# Altium PCB FPv1.3.PcbDoc (part 1 of 2)
Units mil, origin at the board's own origin, x right, y up, seen from the top; angles counter-clockwise.
Board outline 3200 x 2100 mil, 4 copper layers (Top Layer, GROUND PLANE, GROUND PLANE 2, Bottom Layer); 68 components, 152 nets, 617 pads, 312 vias.
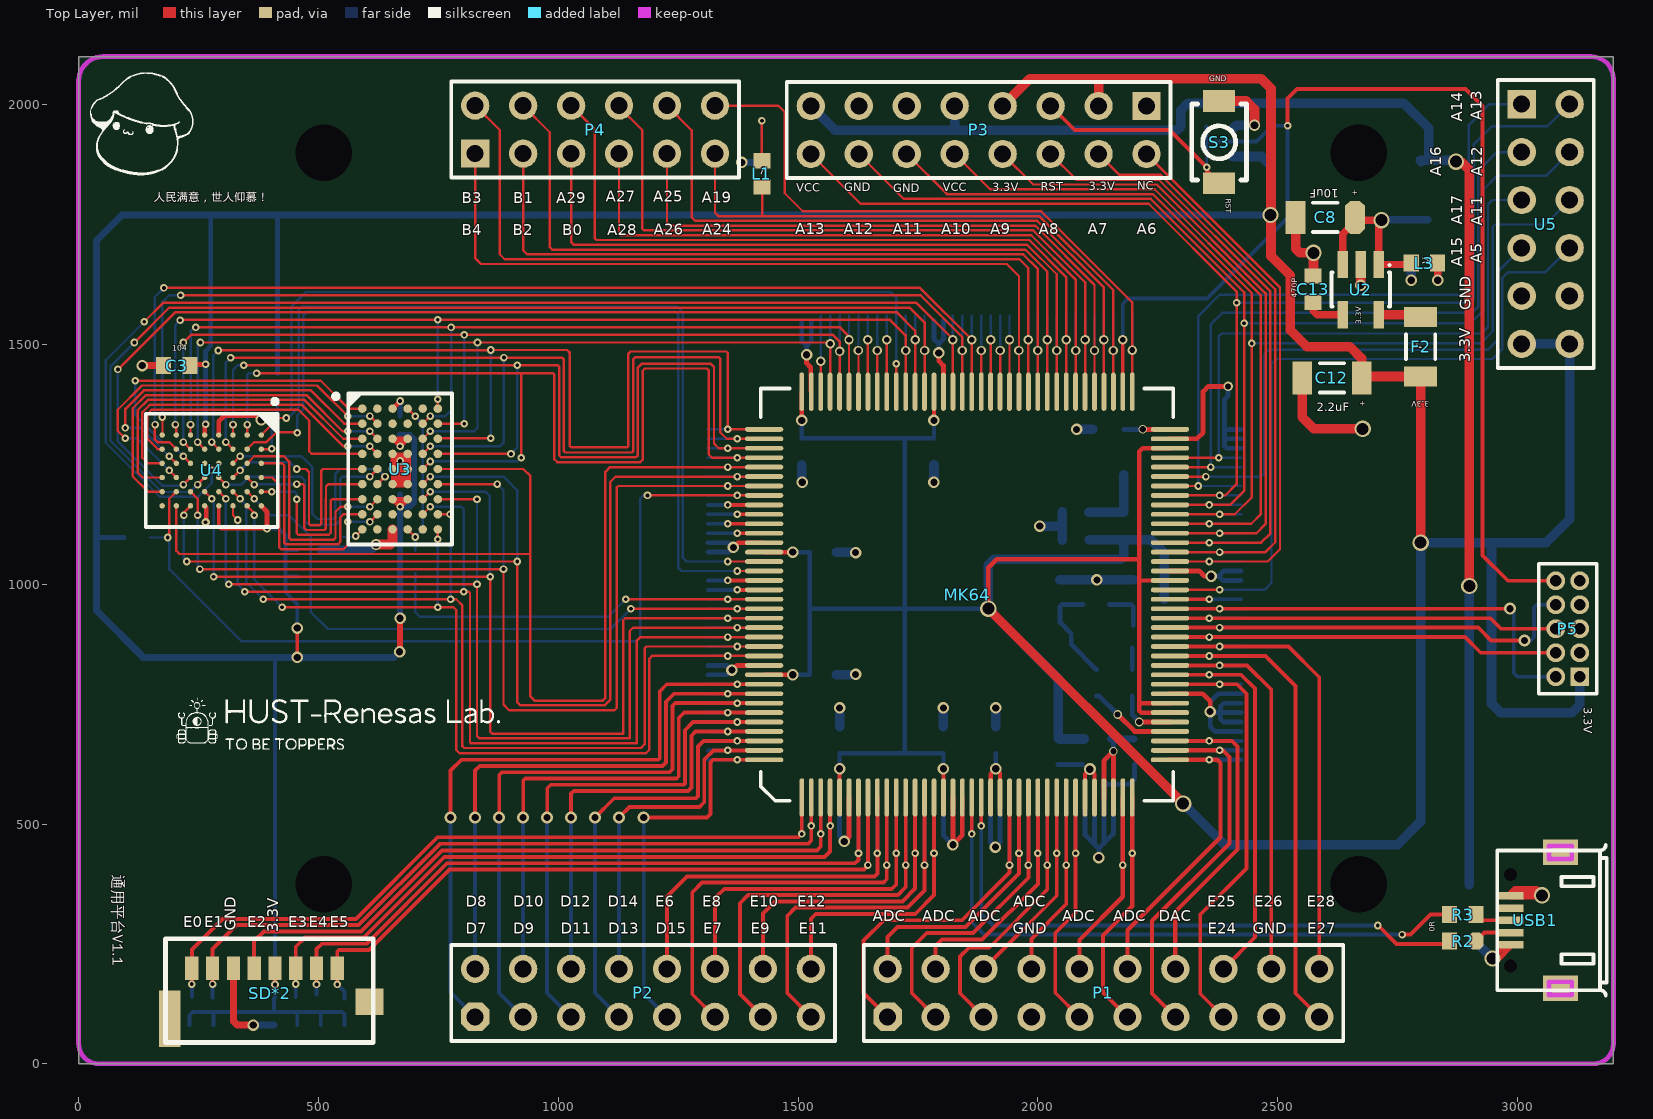
[diagram p0: Top Layer view]
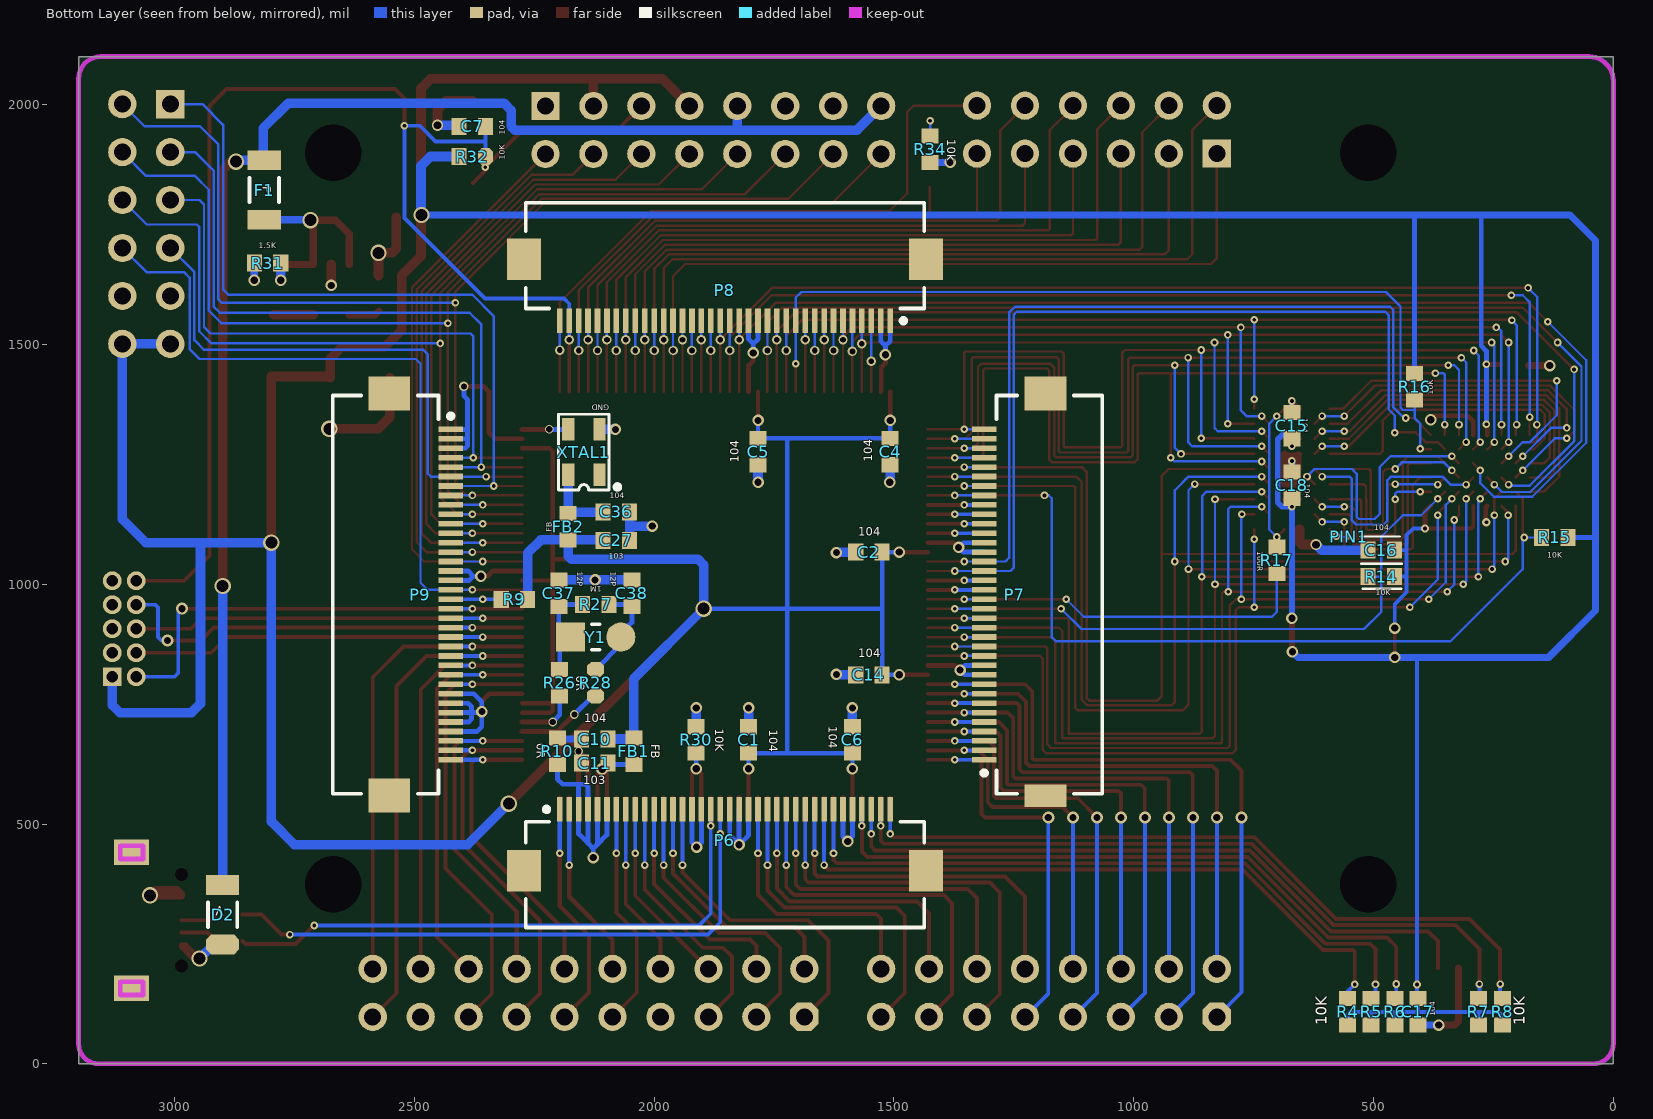
[diagram p1: Bottom Layer view, seen from below]
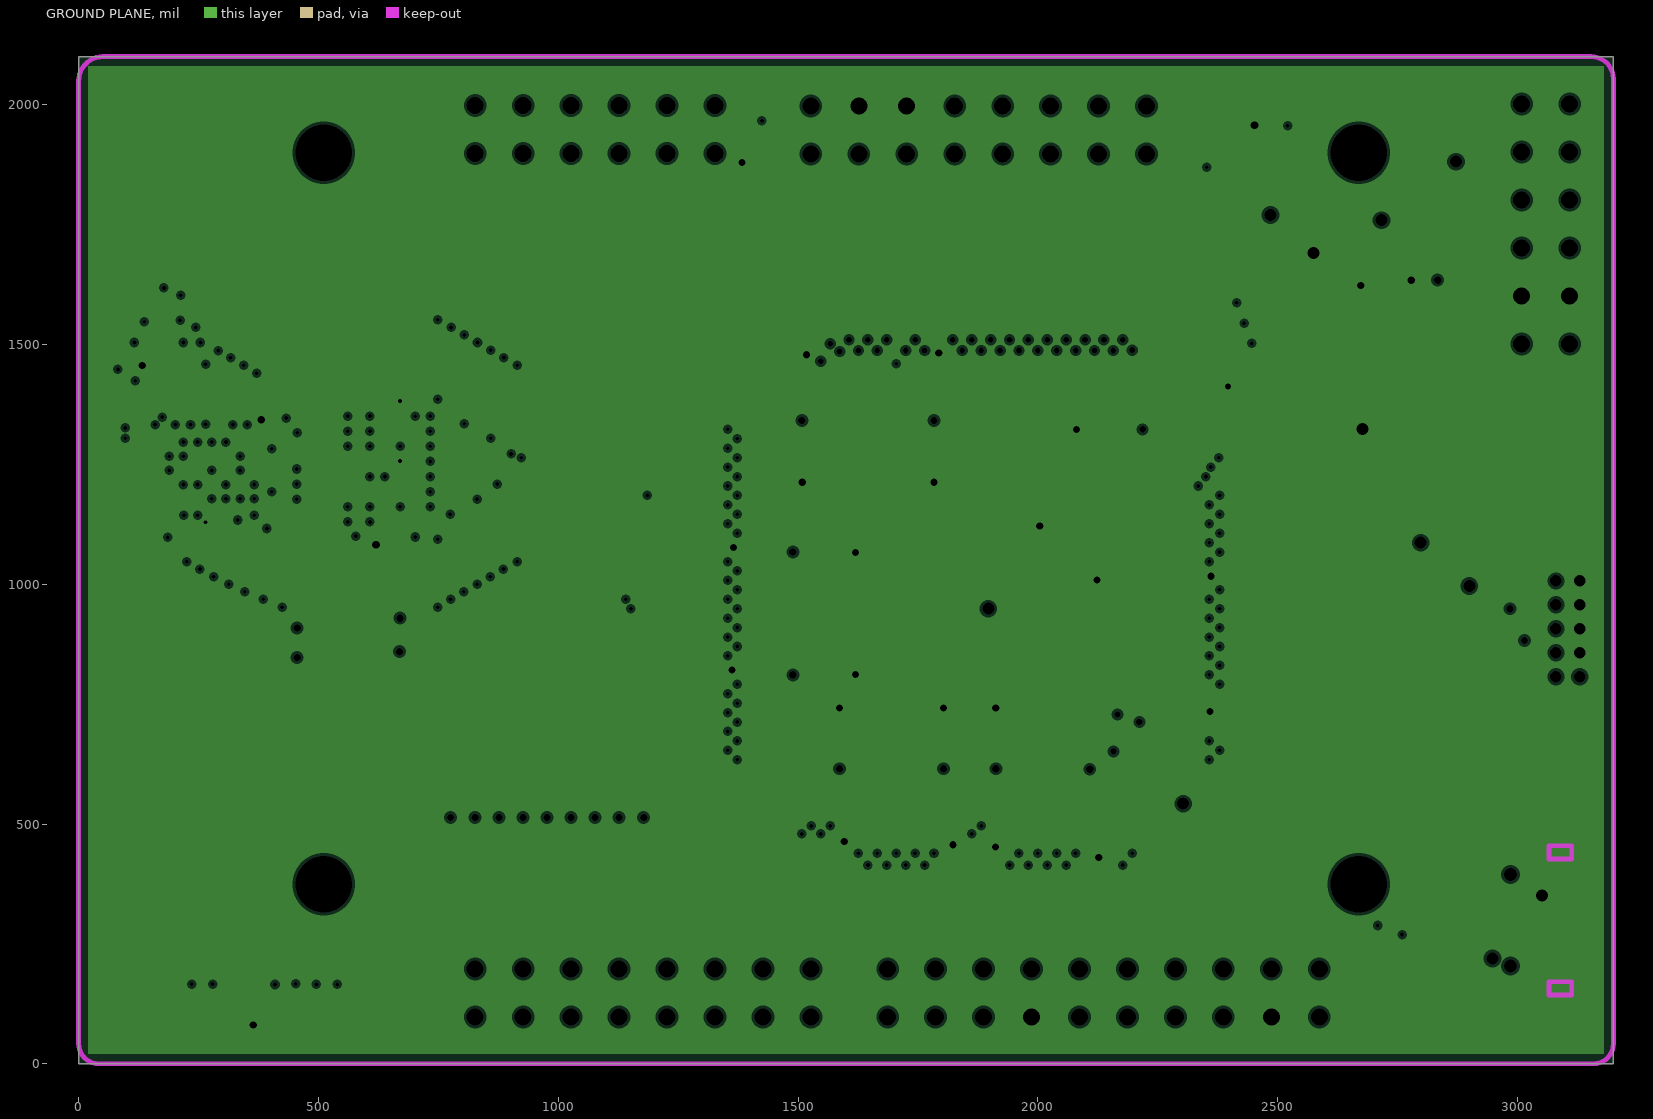
[diagram p2: GROUND PLANE, clearances drawn from the general rule]
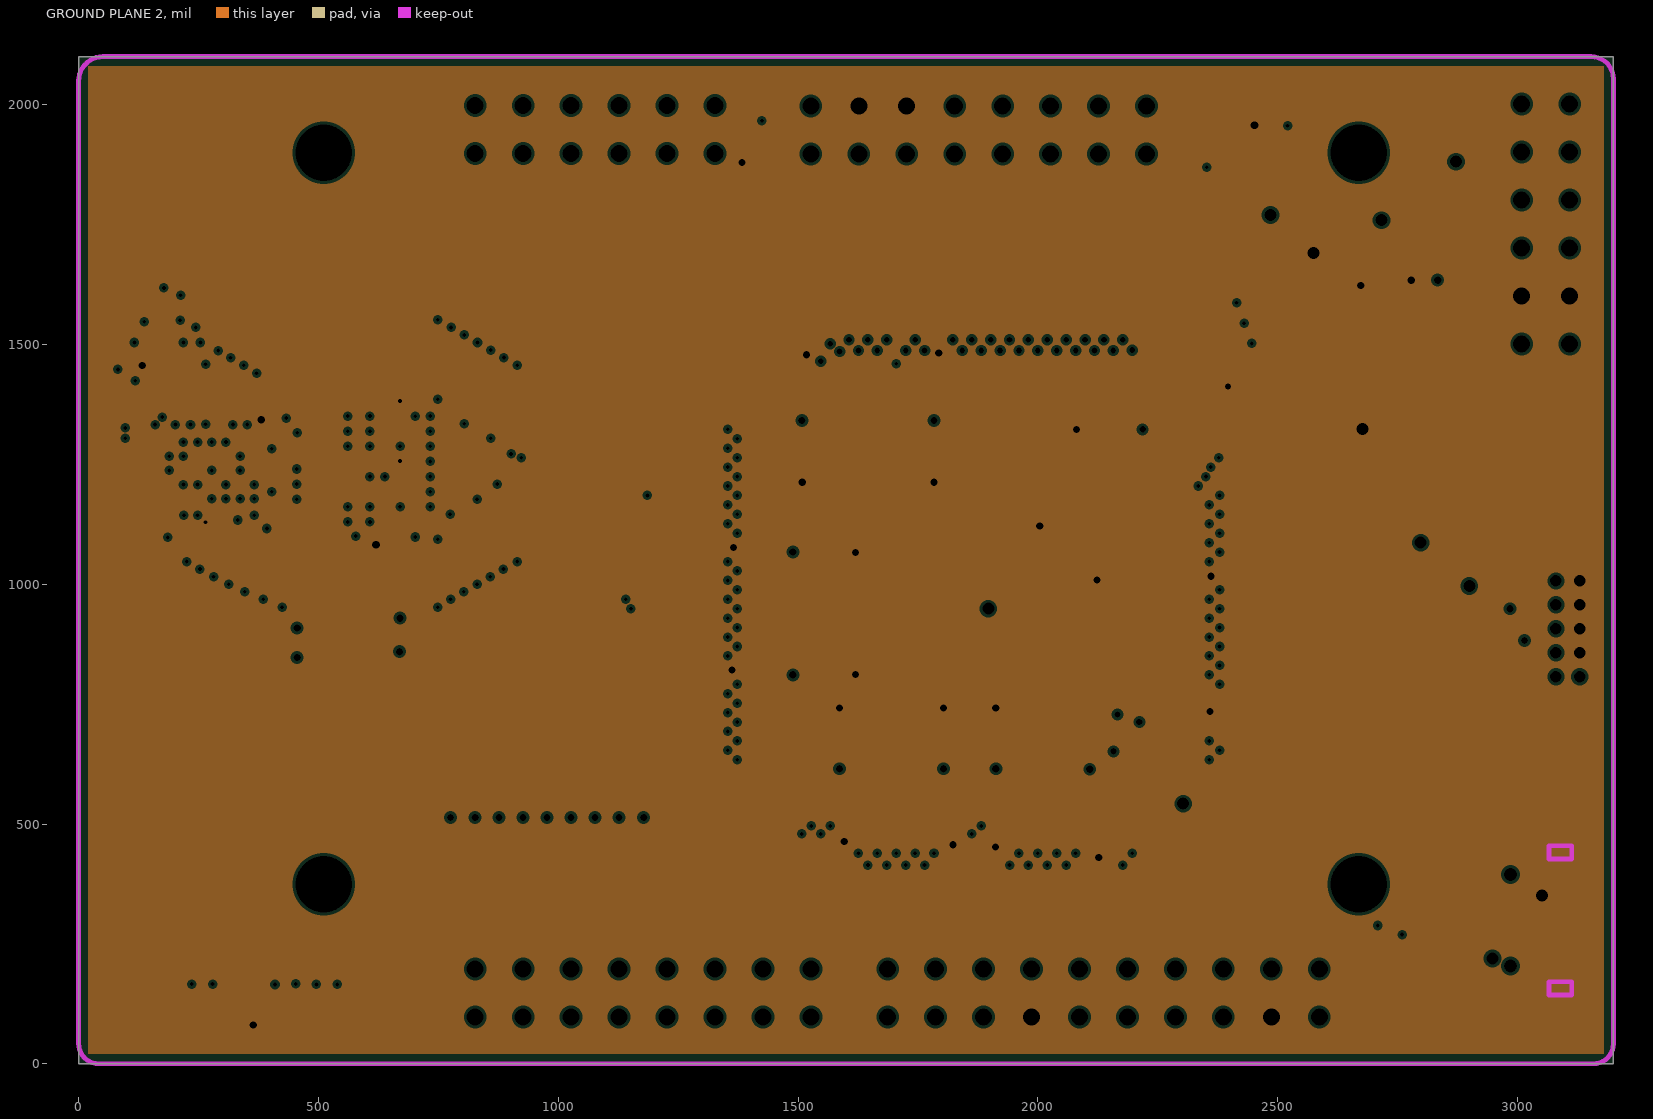
[diagram p3: GROUND PLANE 2, clearances drawn from the general rule]

## Layer stack, top to bottom
Top Layer: signal copper 1.4
Dielectric: prepreg 12.6, FR-4, Dk 4.8
GROUND PLANE: plane copper 1.4, net GND
Dielectric: core 12.6, FR-4, Dk 4.8
GROUND PLANE 2: plane copper 1.4, net GND
Dielectric: prepreg 12.6, FR-4, Dk 4.8
Bottom Layer: signal copper 1.4

## Board outline
0,0 0,2100 3200,2100 3200,0

## Design rules (kind name [scope] priority, off if disabled: settings)
Clearance [All] p1: gap=5
DiffPairsRouting [All] p1: maxlimit=10 minlimit=10 mostfreqgap=10 maxuncoupledlength=500
HoleSize [All] p1: absolutevalues=TRUE maxlimit=100 minlimit=7.87 maxpercent=80.000 minpercent=20.000
PlaneClearance [All] p1: clearance=6
PlaneConnect [All] p1: planeconnectstyle=Direct reliefexpansion=20 reliefentries=4 reliefconductorwidth=10 reliefairgap=10
PolygonConnect [All] p1: connectstyle=Direct reliefconductorwidth=10 reliefentries=4 polygonreliefangle="90 Angle" airgapwidth=10
RoutingVias [All] p1: holewidth=28 width=50 viastyle="Through Hole" minholewidth=28 minwidth=50 maxholewidth=28 maxwidth=50
SolderMaskExpansion [All] p1: expansion=4
Width [All] p1: maxlimit=70 minlimit=5 preferedwidth=10 minimp=50.000000 maximp=50.000000 favimp=50.000000
24 further rules are at their usual default settings.

## Classes and differential pairs
net class ANALOG[13..1]: ANALOG1 ANALOG2 ANALOG3 ANALOG4 ANALOG5 ANALOG6 ANALOG7 ANALOG8 ANALOG9 ANALOG10 ANALOG11 ANALOG12 ANALOG13
net class PTD[15..7]: PTD0 PTD1 PTD7 PTD8 PTD9 PTD10 PTD11 PTD12 PTD13 PTD14 PTD15
net class FTM3_CH[7..1]: FTM3_CH1 FTM3_CH2 FTM3_CH3 FTM3_CH4 FTM3_CH5 FTM3_CH6 FTM3_CH7
net class PTE[0..28]: PTE0 PTE1 PTE2 PTE3 PTE4 PTE5 PTE24 PTE25 PTE26 PTE27 PTE28
net class AD[20..0]: AD0 AD1 AD2 AD3 AD4 AD5 AD6 AD7 AD8 AD9 AD10 AD11 AD12 AD13 AD14 AD15 AD16 AD17 AD18 AD19 AD20
component class protocol1: L1 P1 P2 P3 P4 R2 R3 R34 SD*2 U5 USB1
component class power_manage: C8 C12 C13 D2 F1 F2 L3 R31 U2
component class Memory: C14 C15 C16 C17 C18 PIN1 R14 R15 R16 R17 U3 U4
component class MCU_K64FX: C1 C2 C3 C4 C5 C6 C7 C10 C11 C27 C36 C37 C38 FB1 FB2 MK64 P5 P6 P7 P8 P9 R4 R5 R6 R7 R8 R9 R10 R26 R27 R28 R30 R32 S3 XTAL1 Y1
from-to class SRAM_DATA: "AD0 (U1-B2 : U4-B6)" "AD1 (U1-A2 : U4-C5)" "AD2 (U1-A3 : U4-C6)" "AD3 (U1-B3 : U4-D5)" "AD4 (U1-C3 : U4-E5)" "AD5 (U1-C6 : U4-F5)" "AD6 (U1-D6 : U4-F6)" "AD7 (U1-A7 : U4-G6)" "AD8 (U1-B7 : U4-B1)" "AD9 (U1-C7 : U4-C1)" "AD10 (U1-D7 : U4-C2)" "AD11 (U1-A8 : U4-D2)" "AD12 (U1-C8 : U4-E2)" "AD13 (U1-D8 : U4-F2)" "AD14 (U1-B9 : U4-F1)" "AD15 (U1-D9 : U4-G1)" "AD16 (U1-E9 : U4-F4)" "AD17 (U1-B10 : U4-E4)" "AD18 (U1-C10 : U4-D3)" "AD19 (U1-D10 : U4-H1)" "AD20 (U1-E10 : U4-G2)"
net class PTA[29..11]: PTA4 PTA5 PTA11 PTA12 PTA13 PTA14 PTA15 PTA16 PTA17 PTA24 PTA25 PTA26 PTA27 PTA28 PTA29
net class PTB[4..0]: PTB0 PTB1 PTB2 PTB3 PTB4 PTB5 PTB6 PTB7 PTB8 PTB19 PTB20 PTB21 PTB22 PTB23
differential pair USB1D: +USB1D_P -USB1D_N

## Components (designator, comment, footprint, x,y, rotation, side; value= is the part's Value field where it differs from the comment)
C1 "Cap" 1608[0603]#1 1803.15,675.2 r270 bottom
C2 "Cap" 1608[0603]#1 1552.17,1066.93 r180 bottom
C3 "Cap" 1608[0603]#1 204.72,1455.71 r0 top
C4 "Cap" 1608[0603]#1 1507.87,1276.57 r90 bottom
C5 "Cap" 1608[0603]#1 1783.46,1276.57 r90 bottom
C6 "Cap" 1608[0603]#1 1586.61,675.2 r270 bottom
C7 "Cap" 1608[0603]#1 2378.94,1954.72 r180 bottom
C8 "Cap Pol1" 1206(2)#1 2599.41,1764.76 r180 top
C10 "Cap" 1608[0603]#1 2124.02,677.17 r0 bottom
C11 "Cap" 1608[0603]#1 2124.02,626.97 r0 bottom
C12 "Cap Pol1" 1206(2)#2 2613.19,1430.12 r180 top
C13 "Cap" 1608[0603]#1 2573.82,1615.16 r270 top
C14 "Cap Pol1" 1608[0603]#1 1552.17,811.02 r0 bottom
C15 "Cap" 1608[0603]#1 670.28,1330.71 r270 bottom
C16 "Cap" 1608[0603]#1 484.25,1070.87 r180 bottom
C17 "Cap" 1608[0603]#1 407.48,108.27 r90 bottom
C18 "Cap" 1608[0603]#1 670.28,1206.69 r270 bottom
C27 "Cap" 1608[0603]#1 2078.74,1091.54 r0 bottom
C36 "Cap" 1608[0603]#1 2078.74,1150.59 r0 bottom
C37 "Cap" 1608[0603]#1 2198.82,981.3 r270 bottom
C38 "Cap" 1608[0603]#1 2046.26,981.3 r270 bottom
D2 "sk4" 1206(2)#1 2899.61,311.02 r90 bottom
F1 "300-500mA" 1206(2)#2 2812.99,1821.85 r270 bottom
F2 "300-500mA" 1206(2)#2 2798.23,1495.08 r270 top
FB1 "Inductor" 1608[0603]#1 2042.32,651.57 r270 bottom
FB2 "Inductor" 1608[0603]#1 2179.13,1120.08 r90 bottom
L1 "LED" 1608[0603]#1 1424.7,1855.31 r90 top
L3 "LED" 1608[0603]#1 2806.1,1669.29 r0 top
MK64 "MK64P144LQFP" LQFP-144 1852.36,978.35 r90 top
P1 "Header 10X2" HDR2X10 1686.81,97.83 r0 top
P2 "Header 8X2" HDR2X8#1 826.81,97.83 r0 top
P3 "Header 8X2" HDR2X8#2 2226.61,1997.05 r180 top
P4 "Header 6X2" HDR2X6 826.81,1897.83 r0 top
P5 "JTAG" MHDR2X5 3129.92,807.09 r90 top
P6 "header36" FFC/SM0.5-2H36#1 1852.36,466.54 r180 bottom
P7 "header36" FFC/SM0.5-2H36#2 1248.03,978.35 r90 bottom
P8 "header36" FFC/SM0.5-2H36#1 1852.36,1613.19 r0 bottom
P9 "header36" FFC/SM0.5-2H36#1 2488.19,978.35 r270 bottom
PIN1 "PIN" PIN 552.17,1098.43 r180 bottom
R2 "Res" 1608[0603]#2 2885.83,255.91 r0 top
R3 "Res" 1608[0603]#1 2885.83,311.02 r0 top
R4 "Res" 1608[0603]#1 554.13,108.27 r90 bottom
R5 "Res" 1608[0603]#1 504.92,108.27 r90 bottom
R6 "Res" 1608[0603]#1 455.71,108.27 r90 bottom
R7 "Res" 1608[0603]#1 281.5,108.27 r90 bottom
R8 "Res" 1608[0603]#1 231.3,108.27 r90 bottom
R9 "Res" 1608[0603]#1 2291.34,968.5 r0 bottom
R10 "Res" 1608[0603]#1 2201.77,651.57 r90 bottom
R14 "Res" 1608[0603]#1 484.25,1015.75 r180 bottom
R15 "Res" 1608[0603]#1 122.05,1097.44 r180 bottom
R16 "Res" 1608[0603]#1 414.37,1411.42 r90 bottom
R17 "Res" 1608[0603]#1 701.77,1050.2 r90 bottom
R26 "Res" 1608[0603]#1 2196.85,794.29 r270 bottom
R27 "Res" 1608[0603]#1 2122.05,957.68 r180 bottom
R28 "Res" 1608[0603]#3 2122.05,794.29 r270 bottom
R30 "Res" 1608[0603]#1 1912.4,675.2 r270 bottom
R31 "Res" 1608[0603]#1 2806.1,1669.29 r0 bottom
R32 "Res" 1608[0603]#2 2378.94,1891.73 r180 bottom
R34 "Res" 1608[0603]#1 1424.7,1906.97 r90 bottom
S3 "SW-PB" "key 3*4*2" 2377.95,1921.26 r270 top
SD*2 "TF_card" TF卡座(短体) 181.1,44.29 r0 top
U2 "MIC5219" SOT-23-5 2673.23,1614.17 r180 top
U3 "SN74LVC16373A(BGA54)" BGA54C80P6X9_550X800X120 670.28,1240.16 r0 top
U4 "EM7164SU16" BGA48C75P6X8_598X698X104 277.56,1237.2 r270 top
U5 "Header 6X2" HDR2X6 3008.86,2000.98 r270 top
USB1 "USB_5line" USB-MICRO-5P-2F 2985.24,248.03 r270 top
XTAL1 "50M有源晶体" XTAL7_3225 2146.65,1275.59 r90 bottom
Y1 "32.768kHZ" 3215 2122.05,889.76 r180 bottom

## Footprints (in the part's own frame and the unit in brackets; to place one, negate y for a bottom-side part, rotate by r counter-clockwise, add the part's x,y. Pads: shape width x height; smd on the part's side, far side on the other; paste and mask are expansions set on the pad)
1206(2)#1 [mm]
  oct 1.05x1.75 smd: 1(-1.575,0)
  rect 1.05x1.75 smd: 2(1.575,0)
  silkscreen extent -0.65,-0.77 0.65,0.77, body extent -1.6,-0.8 1.6,0.8, height 1.6
1206(2)#2 [mm]
  rect 1.05x1.75 smd: 1(-1.575,0) 2(1.575,0)
  silkscreen extent -0.65,-0.77 0.65,0.77, body extent -1.6,-0.8 1.6,0.8, height 1.6
1608[0603]#1 [mm] "Chip Capacitor, Body 1.6x0.8mm, IPC High Density"
  rect 0.8x0.9 smd: 1(-0.7,0) 2(0.7,0)
  body extent -0.87,-0.48 0.87,0.48, height 1.3
1608[0603]#2 [mm] "Chip Capacitor, Body 1.6x0.8mm, IPC High Density"
  rect 0.8x0.9 smd: 1(-0.7,0)
  oct 0.8x0.9 smd: 2(0.7,0)
  body extent -0.87,-0.48 0.87,0.48, height 1.3
1608[0603]#3 [mm] "Chip Capacitor, Body 1.6x0.8mm, IPC High Density"
  oct 0.8x0.9 smd: 1(-0.7,0) 2(0.7,0)
  body extent -0.87,-0.48 0.87,0.48, height 1.3
3215 [mm]
  rect 1.54x1.55 smd: 1(-1.335,0)
  oval 1.54x1.55 smd: 2(1.335,0)
  silkscreen extent -0.2,-0.67 0.2,0.67, body extent -1.65,-0.75 1.65,0.75, height 0.75
BGA48C75P6X8_598X698X104 [mm] "BGA, 48-Leads, Body 5.98x6.98mmx1.04mm, Pitch 0.75mm"
  round 0.29 smd: A1(-1.875,2.625) A2(-1.125,2.625) A3(-0.375,2.625) A4(0.375,2.625) A5(1.125,2.625) A6(1.875,2.625) B1(-1.875,1.875) B2(-1.125,1.875) B3(-0.375,1.875) B4(0.375,1.875) B5(1.125,1.875) B6(1.875,1.875) C1(-1.875,1.125) C2(-1.125,1.125) C3(-0.375,1.125) C4(0.375,1.125) C5(1.125,1.125) C6(1.875,1.125) D1(-1.875,0.375) D2(-1.125,0.375) D3(-0.375,0.375) D4(0.375,0.375) D5(1.125,0.375) D6(1.875,0.375) E1(-1.875,-0.375) E2(-1.125,-0.375) E3(-0.375,-0.375) E4(0.375,-0.375) E5(1.125,-0.375) E6(1.875,-0.375) F1(-1.875,-1.125) F2(-1.125,-1.125) F3(-0.375,-1.125) F4(0.375,-1.125) F5(1.125,-1.125) F6(1.875,-1.125) G1(-1.875,-1.875) G2(-1.125,-1.875) G3(-0.375,-1.875) G4(0.375,-1.875) G5(1.125,-1.875) G6(1.875,-1.875) H1(-1.875,-2.625) H2(-1.125,-2.625) H3(-0.375,-2.625) H4(0.375,-2.625) H5(1.125,-2.625) H6(1.875,-2.625)
  silkscreen extent -3.77,-3.5 3,3.5, body extent -2.99,-3.49 2.99,3.49, height 1.04
BGA54C80P6X9_550X800X120 [mm] "BGA, 54-Leads, Body 5.50x8.00mmx1.20mm, Pitch 0.80mm"
  round 0.45 smd: A1(-2,3.2) A2(-1.2,3.2) A3(-0.4,3.2) A4(0.4,3.2) A5(1.2,3.2) A6(2,3.2) B1(-2,2.4) B2(-1.2,2.4) B3(-0.4,2.4) B4(0.4,2.4) B5(1.2,2.4) B6(2,2.4) C1(-2,1.6) C2(-1.2,1.6) C3(-0.4,1.6) C4(0.4,1.6) C5(1.2,1.6) C6(2,1.6) D1(-2,0.8) D2(-1.2,0.8) D3(-0.4,0.8) D4(0.4,0.8) D5(1.2,0.8) D6(2,0.8) E1(-2,0) E2(-1.2,0) E3(-0.4,0) E4(0.4,0) E5(1.2,0) E6(2,0) F1(-2,-0.8) F2(-1.2,-0.8) F3(-0.4,-0.8) F4(0.4,-0.8) F5(1.2,-0.8) F6(2,-0.8) G1(-2,-1.6) G2(-1.2,-1.6) G3(-0.4,-1.6) G4(0.4,-1.6) G5(1.2,-1.6) G6(2,-1.6) H1(-2,-2.4) H2(-1.2,-2.4) H3(-0.4,-2.4) H4(0.4,-2.4) H5(1.2,-2.4) H6(2,-2.4) J1(-2,-3.2) J2(-1.2,-3.2) J3(-0.4,-3.2) J4(0.4,-3.2) J5(1.2,-3.2) J6(2,-3.2)
  silkscreen extent -3.52,-4 2.75,4, body extent -2.75,-4 2.75,4, height 1.2
FFC/SM0.5-2H36#1 [mm] "Connector; FH12 Series; 36 Position; 0.5mm Spaced Bottom Contact"
  rect 0.3x1.3 smd: 1(-8.75,1.625) 2(-8.25,1.625) 3(-7.75,1.625) 4(-7.25,1.625) 5(-6.75,1.625) 6(-6.25,1.625) 7(-5.75,1.625) 8(-5.25,1.625) 9(-4.75,1.625) 10(-4.25,1.625) 11(-3.75,1.625) 12(-3.25,1.625) 13(-2.75,1.625) 14(-2.25,1.625) 15(-1.75,1.625) 16(-1.25,1.625) 17(-0.75,1.625) 18(-0.25,1.625) 19(0.25,1.625) 20(0.75,1.625) 21(1.25,1.625) 22(1.75,1.625) 23(2.25,1.625) 24(2.75,1.625) 25(3.25,1.625) 26(3.75,1.625) 27(4.25,1.625) 28(4.75,1.625) 29(5.25,1.625) 30(5.75,1.625) 31(6.25,1.625) 32(6.75,1.625) 33(7.25,1.625) 34(7.75,1.625) 35(8.25,1.625) 36(8.75,1.625)
  rect 1.8x2.2 smd: 37(-10.65,-1.625) 38(10.65,-1.625)
  silkscreen extent -10.55,-4.62 10.55,1.75, body extent -10.55,-4.62 10.55,0.97, height 2
FFC/SM0.5-2H36#2 [mm] "Connector; FH12 Series; 36 Position; 0.5mm Spaced Bottom Contact"
  rect 0.3x1.3 smd: 1(-8.75,1.625) 2(-8.25,1.625) 3(-7.75,1.625) 4(-7.25,1.625) 5(-6.75,1.625) 6(-6.25,1.625) 7(-5.75,1.625) 8(-5.25,1.625) 9(-4.75,1.625) 10(-4.25,1.625) 11(-3.75,1.625) 12(-3.25,1.625) 13(-2.75,1.625) 14(-2.25,1.625) 15(-1.75,1.625) 16(-1.25,1.625) 17(-0.75,1.625) 18(-0.25,1.625) 19(0.25,1.625) 20(0.75,1.625) 21(1.25,1.625) 22(1.75,1.625) 23(2.25,1.625) 24(2.75,1.625) 25(3.25,1.625) 26(3.75,1.625) 27(4.25,1.625) 28(4.75,1.625) 29(5.25,1.625) 30(5.75,1.625) 31(6.25,1.625) 32(6.75,1.625) 33(7.25,1.625) 34(7.75,1.625) 35(8.25,1.625) 36(8.75,1.625)
  rect 1.2x2.2 smd: 37(-10.65,-1.625)
  rect 1.8x2.2 smd: 38(10.65,-1.625)
  silkscreen extent -10.55,-4.62 10.55,1.75, body extent -10.55,-4.62 10.55,0.97, height 2
HDR2X6 [mm] "Connector; Header; 6x2 Position"
  rect 1.5x1.5 hole 0.9: 1(0,0)
  round 1.5 hole 0.9: 2(0,2.54) 3(2.54,0) 4(2.54,2.54) 5(5.08,0) 6(5.08,2.54) 7(7.62,0) 8(7.62,2.54) 9(10.16,0) 10(10.16,2.54) 11(12.7,0) 12(12.7,2.54)
  silkscreen extent -1.27,-1.27 13.97,3.81, body extent -1.27,-1.27 13.97,3.81, height 7.58
HDR2X8#1 [mm] "Connector; Header; 8x2 Position"
  oct 1.5x1.5 hole 0.9: 1(0,0)
  round 1.5 hole 0.9: 2(0,2.54) 3(2.54,0) 4(2.54,2.54) 5(5.08,0) 6(5.08,2.54) 7(7.62,0) 8(7.62,2.54) 9(10.16,0) 10(10.16,2.54) 11(12.7,0) 12(12.7,2.54) 13(15.24,0) 14(15.24,2.54) 15(17.78,0) 16(17.78,2.54)
  silkscreen extent -1.27,-1.27 19.05,3.81, body extent -1.27,-1.27 19.05,3.81, height 7.58
HDR2X8#2 [mm] "Connector; Header; 8x2 Position"
  rect 1.5x1.5 hole 0.9: 1(0,0)
  round 1.5 hole 0.9: 2(0,2.54) 3(2.54,0) 4(2.54,2.54) 5(5.08,0) 6(5.08,2.54) 7(7.62,0) 8(7.62,2.54) 9(10.16,0) 10(10.16,2.54) 11(12.7,0) 12(12.7,2.54) 13(15.24,0) 14(15.24,2.54) 15(17.78,0) 16(17.78,2.54)
  silkscreen extent -1.27,-1.27 19.05,3.81, body extent -1.27,-1.27 19.05,3.81, height 7.58
HDR2X10 [mm] "Connector; Header; 10x2 Position"
  oct 1.5x1.5 hole 0.9: 1(0,0)
  round 1.5 hole 0.9: 2(0,2.54) 3(2.54,0) 4(2.54,2.54) 5(5.08,0) 6(5.08,2.54) 7(7.62,0) 8(7.62,2.54) 9(10.16,0) 10(10.16,2.54) 11(12.7,0) 12(12.7,2.54) 13(15.24,0) 14(15.24,2.54) 15(17.78,0) 16(17.78,2.54) 17(20.32,0) 18(20.32,2.54) 19(22.86,0) 20(22.86,2.54)
  silkscreen extent -1.27,-1.27 24.13,3.81, body extent -1.27,-1.27 24.13,3.81, height 7.58